# Altium PCB cheriot-test.PcbDoc (part 8 of 12) (continued)
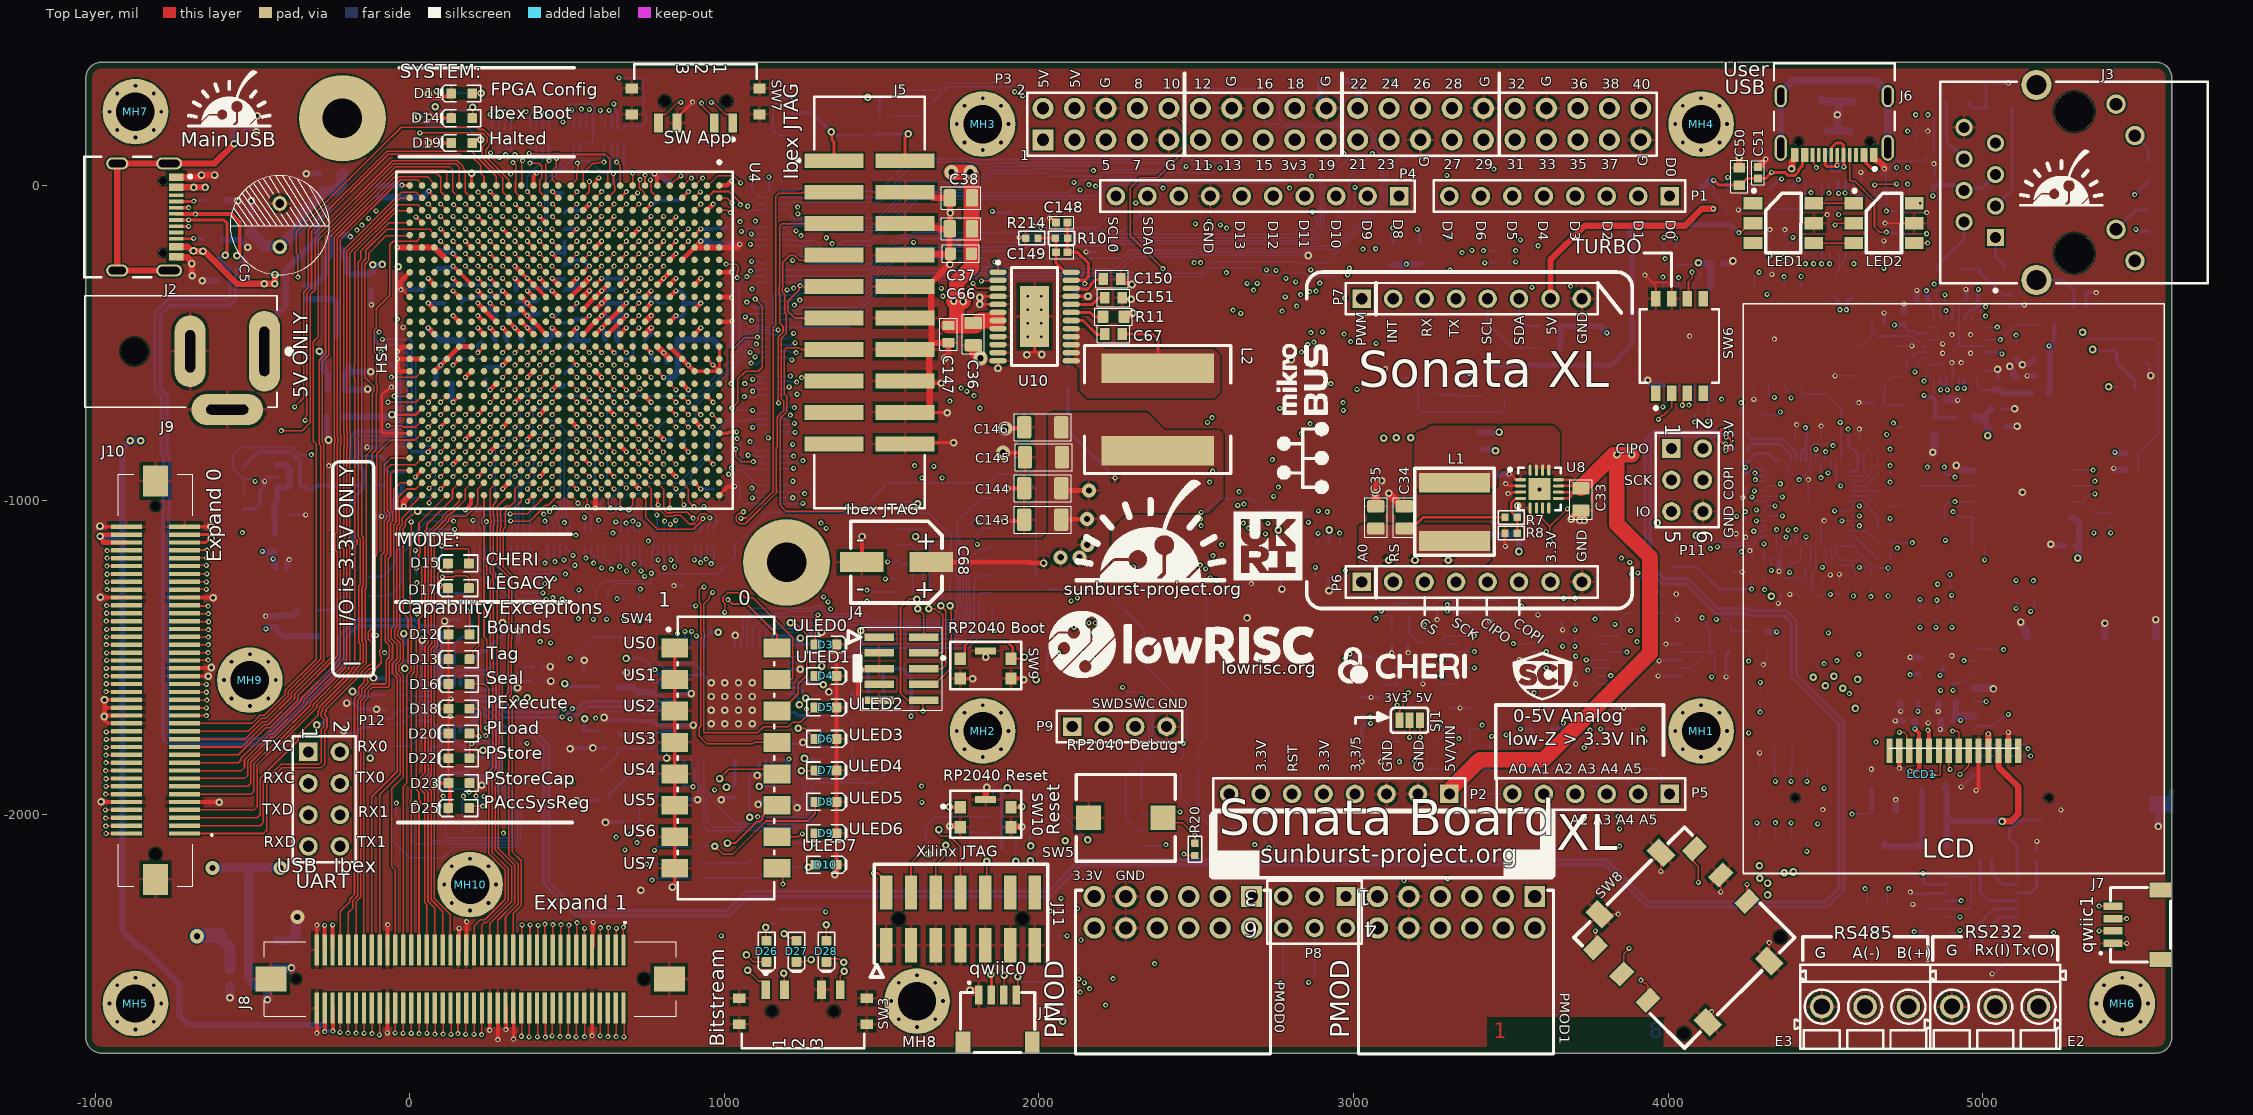
[diagram p0: Top Layer view]
## Nets (pads, with @x,y where several pads share a name; then routed paths per layer and width w, separated by ;. In a path a pad name is that pad's centre, name@x,y a point inside that pad or via, vN(x,y) a via of type N, cw(c..) or ccw(c..) an arc to the next point about the centre after c; other vN are vias at no path point) (continued)
NAVSW_2: SW8.2 U4.F7 | length 4683.1
  Top Layer w5: U4.F7@787.4,-236.22 v1(807.09,-216.54) ; SW8.2@3852.47,-2506.11 3859.43,-2499.15 3859.43,-2441.48 v1(3875.98,-2424.92)
  Int3 (Sign) w5: v1(807.09,-216.54) 810.06,-216.54 819.53,-226 834,-226 840.04,-232.04 857.96,-232.04 860,-230 970,-230 979,-221 1052,-221 1057.58,-215.42 1094.72,-215.42 1113.14,-197 1305.02,-197 1358.02,-250 1381.26,-250 1670.5,-539.24 1670.5,-561.22 1687.78,-578.5 1709.76,-578.5 1754.96,-623.7 1754.96,-631.04 1754.49,-631.5 1754.49,-641.93 v1(1752.39,-644.04) ; v1(1717,-685) 1685,-685 1677,-693 1677,-882.08 1681.5,-886.58 1681.5,-899.42 1677,-903.92 1677,-935.72 1742.23,-1000.95 1758.87,-1000.95 1823.5,-1065.58 1823.5,-1082.22 2019.28,-1278 2080.55,-1278 2100.05,-1258.5 2130.89,-1258.5 2142.91,-1270.52 2150.42,-1278 2364.86,-1278 2612.64,-1525.78 2930.13,-1525.78 2981.75,-1577.4 2981.75,-1823.26 3010.98,-1852.5 3010.98,-1852.69 3025.21,-1866.91 3032.49,-1866.91 3042.49,-1876.91 3345.64,-1876.91 3625.98,-2157.25 3625.98,-2219.17 3626.48,-2219.67 3626.48,-2248.68 3802.72,-2424.92 v1(3875.98,-2424.92)
  Int4 (Sign) w5: v1(1717,-685) 1717,-683 1741.45,-658.55 1741.45,-655.46 1752.39,-644.52 v1(1752.39,-644.04)
NAVSW_3: SW8.3 U4.H9 | length 4640.3
  Top Layer w5: U4.H9@708.66,-314.96 v1(728.35,-295.28) ; v1(3913.06,-2525.93) 3915.15,-2525.93 3925.06,-2535.84 3928.6,-2535.84 3935.98,-2543.23 SW8.3@3935.98,-2589.63
  Int3 (Sign) w5: v1(728.35,-295.28) 745.8,-295.28 769.67,-319.15 777.44,-319.15 808.44,-350.15 913,-350.15 922.08,-341.07 1070.11,-341.07 1073.85,-344.81 1104.2,-344.81 1106.89,-347.5 1224.58,-347.5 1229.58,-342.5 1313.5,-342.5 1626,-655 1626,-857 1605,-878 v1(1605,-890) ; v1(1666,-893) 1667,-893 1667,-939.86 1791.5,-1064.36 1791.5,-1077.42 1805.58,-1091.5 1818.64,-1091.5 2015.14,-1288 2084.69,-1288 2104.19,-1268.5 2126.75,-1268.5 2138.76,-1280.52 2146.28,-1288 2360.72,-1288 2613.07,-1540.35 2930.56,-1540.35 2971.75,-1581.55 2971.75,-1827.4 3000.98,-1856.64 3000.98,-1856.83 3021.07,-1876.91 3028.35,-1876.91 3038.35,-1886.91 3341.5,-1886.91 3615.98,-2161.39 3615.98,-2223.31 3616.48,-2223.81 3616.48,-2252.82 3866.08,-2502.42 3889.55,-2502.42 v1(3913.06,-2525.93)
  Int6 (Sign) w5: v1@1605,-892 1605.5,-891.5 1664.5,-891.5 v1(1666,-893)
NAVSW_4: SW8.6 U4.G9 | length 5127.4
  Top Layer w5: U4.G9@748.03,-314.96 v1(767.72,-295.28) ; SW8.6@4250.56,-2275.05 4250.56,-2228.65 v1(4250.56,-2221.68)
  Int3 (Sign) w5: v1(767.72,-295.28) 783.22,-310.78 1041.14,-310.78 1041.85,-310.07 1049.92,-310.07 1054.86,-315 1082.21,-315 1087.14,-310.07 1227.01,-310.07 1234.58,-302.5 1247.42,-302.5 1254.99,-310.07 1299.78,-310.07 1640.5,-650.79 1640.5,-903.56 1647,-910.06 1647,-951 1771.5,-1075.5 1771.5,-1085.7 1797.3,-1111.5 1807.5,-1111.5 2032,-1336 2119.88,-1336 2131.38,-1324.5 2138.56,-1324.5 2155.06,-1308 2352.43,-1308 2695.98,-1651.55 2695.98,-1831.13 2704.77,-1839.92 2901.84,-1839.92 2961.75,-1899.83 2961.75,-1957.44 3164.74,-2160.42 3487.34,-2160.42 3517.48,-2190.56 3517.48,-2292.17 3535.74,-2310.42 3616.23,-2310.42 3616.73,-2309.92 3621.84,-2309.92 3848.7,-2536.78 3884.7,-2536.78 3902.85,-2554.92 3948.94,-2554.92 3975.86,-2528 4042.49,-2528 4063.49,-2507 4098.91,-2507 4250.56,-2355.34 v1(4250.56,-2221.68)
NetC4_1: C4.1 Q1.3 Q5.3 | length 208.3
  Bottom Layer w20: C4.1@-327.87,-361.98 -242.02,-361.98 Q1.3@-231,-373 ; Q5.3@-232.87,-477.69 Q1.3@-232.87,-375.06 -232.87,-374.87 Q1.3@-231,-373 ; Q1.3@-230,-372 Q1.3@-231,-373
NetC4_2: C4.2 Q1.1 R2.2 R3.1 | length 206.1
  Bottom Layer w20: C4.2@-331,-320 -306.76,-320 -270.28,-283.52 Q1.1@-270.28,-272.69 -267.48,-269.9 -267.48,-238.2 -254,-224.72 R3.1@-254,-160
NetC47_1: C47.1 U12.10 | length 76.4
  Bottom Layer w8: C47.1@120,-1810 121.93,-1808.07 U12.10@121.93,-1734.36
NetC48_1: C48.1 U12.23 | length 261.7
  Bottom Layer w8: U12.23@161.3,-1577.5 161.3,-1559.69 165.99,-1555 340,-1555 365.45,-1529.55 384.35,-1529.55 C48.1@385.37,-1528.53 ; C48.1@389.69,-1533.84 393.48,-1530.05 C48.1@393.48,-1528.53
NetC49_1: C49.1 U7.5 | length 230.9
  Bottom Layer w10: C49.1@4958.58,-2424.96 C49.1@4960.63,-2422.91 4960.63,-2374.09 5035.83,-2298.9 U7.5@5108.66,-2298.9
NetC49_2: C49.2 U7.6 | length 177
  Bottom Layer w10: C49.2@4996.85,-2422.91 4996.85,-2381.18 5053.54,-2324.49 U7.6@5108.66,-2324.49
NetC50_1: C50.1 C51.1 J6.A4-B9 J6.B4-A9 R22.1 R23.1 R26.1 R41.1 | length 1479.1
  Top Layer w10: v1(4144.29,16.08) 4145.91,16.08 4160.83,1.16 C50.1@4225.98,1.16 4229.92,1.16 4250.73,21.97 4309.45,21.97 v1(4329.13,41.65) 4370.99,41.65 4381.18,31.46 4401.24,31.46 4414.13,44.35 4414.13,50.24 4426.65,62.77 4426.65,89.96 J6.B4-A9@4433.46,96.77
  Top Layer w12: J6.A4-B9@4622.44,96.77 4628.25,90.96 4628.25,72.45 4645.29,55.42 4658.79,55.42 v1(4659.56,54.65)
  Int4 (Sign) w12: v1(4329.13,41.65) 4354.55,67.07 4373.21,67.07 4395.03,88.9 4625.31,88.9 v1(4659.56,54.65)
  Bottom Layer w5: v1(4144.29,16.08) 4144.29,-31.69 4169.99,-57.39 4169.99,-58.32 4185.06,-73.39 R26.1@4185.98,-73.39 ; v1(4659.56,54.65) 4676.26,37.94 4685.12,37.94 4686.37,36.69 ; R22.1@4725.98,-81.45 4700.26,-81.45 v1(4693.3,-81.46) 4693.3,29.76 4686.37,36.69 ; R23.1@4825.67,200.08 4825.67,217.93 v1(4825.67,224.89) 4827.77,222.79 4834.08,222.79 4844.98,211.88 4844.98,112.62 4809.45,77.09 4724.26,77.09 4702.9,55.73 4702.9,47.04 4692.55,36.69 4686.37,36.69
  Bottom Layer w20: R41.1@4105.98,-6.46 4107.95,-6.46 4130.49,16.08 v1(4144.29,16.08)
NetC52_1: C52.1 J6.1 J6.2 J6.3 J6.4 R33.1 | length 723.8
  Bottom Layer w19.68: J6.2@4357.87,119.41 J6.4@4357.87,283.98
  Bottom Layer w25: J6.4@4357.87,283.98 4357.87,295.84 4395.03,332.99 4660.88,332.99 4698.03,295.84 J6.3@4698.03,283.98 J6.1@4698.03,119.41
NetC57_1: C57.1 L3.2 U15.1 U15.3 | length 288.3
  Bottom Layer w20: L3.2@-428.02,-1105.92 -428.02,-1059.67 -430.81,-1056.87 -430.81,-1014.78 -421.17,-1005.13 U15.1@-421.17,-963.32 -419.35,-961.51 -391.32,-961.51 -381.42,-951.61 -381.42,-900.24 -393.13,-888.52 U15.3@-421.17,-888.52
NetC61_1: C61.1 U7.4 | length 231.2
  Bottom Layer w10: C61.1@4992.13,-2143.39 4992.13,-2247.32 5018.11,-2273.31 U7.4@5108.66,-2273.31
NetC61_2: C61.2 U7.2 | length 137.4
  Bottom Layer w10: C61.2@5028.35,-2143.39 5028.35,-2185.12 5065.35,-2222.13 U7.2@5108.66,-2222.13
NetC62_1: C62.1 U7.7 | length 122.1
  Bottom Layer w10: C62.1@5069.29,-2436.3 5069.29,-2355.98 5075.2,-2350.08 U7.7@5108.66,-2350.08
NetC63_2: C63.2 U7.3 | length 150.6
  Bottom Layer w10: U7.3@5108.66,-2247.72 5153.94,-2247.72 5171.65,-2230 C63.2@5171.65,-2149.69
NetC67_1: C67.1 U10.18 | length 125.2
  Top Layer w10: U10.18@2102.36,-429.13 2140.13,-429.13 2185,-474 C67.1@2209,-474
NetC67_2: C67.2 L2.1 U10.13 U10.14 U10.15 U10.16 U10.17 | length 200.7
  Top Layer w10: C67.2@2264.69,-472.13 2361.13,-472.13 2379,-490 L2.1@2379,-569
NetC70_1: C70.1 C71.1 L5.2 U5.9 | length 196.8
  Bottom Layer w8: C71.1@772.48,-1610.91 781.08,-1619.5 800.5,-1619.5 818,-1637 U5.9@842,-1637
  Bottom Layer w20: L5.2@662.24,-1595.87 711.14,-1595.87 726.18,-1610.91 C71.1@772.48,-1610.91
NetC73_1: C73.1 C74.1 L6.2 U5.4 | length 178.9
  Bottom Layer w8: C74.1@785,-1740 795,-1740 800.55,-1734.45 U5.4@845.35,-1734.45
  Bottom Layer w12: L6.2@665,-1740 665,-1740.9 670.34,-1746.24 711.24,-1746.24 C73.1@720,-1755 ; C73.1@730,-1755 730,-1749.3 732.7,-1746.6 768.4,-1746.6 C74.1@775,-1740
NetC77_1: C77.1 U5.2 Y1.1 | length 342
  Bottom Layer w5: Y1.1@727.99,-1954.21 727.99,-2022.99 C77.1@730,-2025 ; Y1.1@730,-1950 780,-1950 790,-1940 790,-1800 816.18,-1773.82 U5.2@845.35,-1773.82
NetC78_1: C78.1 U5.3 Y1.3 | length 294.4
  Bottom Layer w6: Y1.3@602.01,-1855.79 615.79,-1855.79 660,-1811.57 C78.1@660,-1795 ; C78.1@658.11,-1790 775,-1790 810,-1755 833.61,-1755 833.74,-1754.87 844.87,-1754.87 U5.3@845,-1755
NetC81_1: C81.1 C84.1 C85.1 U11.23 U11.45 U11.50 | length 955.1
  Int3 (Sign) w5: v1(4233.05,-1163.51) 4245.46,-1175.92 4331.98,-1175.92 v1(4385.98,-1229.92)
  Int6 (Sign) w5: v1(4233.05,-1163.51) 4253.4,-1143.16 4274.25,-1143.16 4330.98,-1086.42 4330.98,-1084.35 4344.87,-1070.47 4364.28,-1070.47 4403.99,-1030.76 4403.99,-946.56 v1(4415.98,-934.56)
  Bottom Layer w5: C81.1@4205.98,-1172.36 4230.72,-1172.36 4232.19,-1172.36 4232.19,-1164.37 v1(4233.05,-1163.51) ; U11.45@4375.12,-874.73 4375.12,-898.96 4391.87,-915.71 4397.13,-915.71 v1(4415.98,-934.56) ; v1(4385.98,-1229.92) 4385.98,-1203.03 C85.1@4389.09,-1199.92 4409.19,-1199.92 4422.36,-1186.75 U11.23@4422.36,-1146.38 ; v1@4415.98,-934.92 4417.9,-934.92 4453.86,-898.96 U11.50@4453.86,-874.73 4453.86,-832.25 4463.19,-822.92 4518.52,-822.92 4522.1,-826.5 v1(4524.09,-826.5) ; v1@4524.09,-825.52 C84.1@4524.09,-799.92
NetC92_1: C92.1 U11.20 X2.1 | length 246.3
  Bottom Layer w5: U11.20@4469.61,-1146.38 4469.61,-1216.3 4455.98,-1229.92 4455.98,-1280.87 4467.38,-1292.26 4467.38,-1295.21 4480.62,-1308.46 X2.1@4483.58,-1308.46 4494,-1298.03 4495.39,-1299.42 v1(4515.28,-1299.42) ; v1@4515.28,-1298.03 4515.33,-1297.98 C92.1@4544.04,-1298.03 C92.1@4544.04,-1298.03
NetC93_1: C93.1 U11.21 X2.3 | length 198.2
  Bottom Layer w5: C93.1@4358.15,-1261.81 4373.16,-1246.8 4408.14,-1246.8 X2.3@4418.62,-1257.28 4421.57,-1257.28 4434.82,-1244.03 4434.82,-1221.84 4453.86,-1202.8 U11.21@4453.86,-1146.38
NetC94_1: C94.1 R72.1 U12.15 | length 273.3
  Bottom Layer w5: R72.1@-196.54,-1695 -139.63,-1695 -139.57,-1694.94 -54.94,-1694.94 -52.01,-1692.01 -52.01,-1679.18 -47.83,-1675 C94.1@-40,-1675 ; C94.1@-40,-1670 -25,-1670 -17.02,-1662.02 U12.15@57.66,-1662.02
NetC95_1: C95.1 U12.22 X1.3 | length 229.8
  Bottom Layer w8: U12.22@141.61,-1577.5 141.61,-1553.39 155,-1540 247.15,-1540 267.15,-1520 X1.3@275,-1520 ; X1.3@287.92,-1503.17 328.49,-1503.17 340,-1491.66 C95.1@340,-1490
NetC96_1: C96.1 U12.21 X1.1 | length 249.2
  Bottom Layer w8: U12.21@121.93,-1578.06 121.93,-1538.07 143.46,-1516.54 143.46,-1456.54 165,-1435 X1.1@195,-1435 ; C96.1@188.11,-1380 196.71,-1388.6 196.71,-1396.32 201,-1400.61 X1.1@201,-1433
NetC108_1: C108.1 R124.2 U6.20 Y3.1 | length 319.6
  Bottom Layer w5: R124.2@4752.52,-698.61 4693.54,-698.61 C108.1@4685.98,-691.05 4685.98,-665.45 4685.98,-662.48 4689.03,-659.43 4689.03,-629.11 4710.16,-607.99 Y3.1@4723.94,-607.99 4737.71,-607.99 4758.84,-586.86 4758.84,-562.06 4791.13,-529.76 U6.20@4820.03,-529.76
NetC109_1: C109.1 U6.21 Y3.3 | length 293.1
  Bottom Layer w5: Y3.3@4597.95,-509.56 4611.73,-509.56 4647.87,-473.42 C109.1@4647.87,-437.92 ; 4647.87,-463.52 4664.27,-479.92 4681.94,-479.92 4683.43,-478.44 4764.44,-478.44 4765.93,-479.92 4775.15,-479.92 4787.55,-492.32 4791.08,-492.32 4808.84,-510.08 U6.21@4820.03,-510.08
NetC116_1: C116.1 J2.1 J2.2 J2.3 J2.4 R129.1 | length 968
  Top Layer w20: J2.3@-929.33,70 -929.33,-268.67 J2.4@-923,-275 ; J2.4@-919.16,-270.16 J2.2@-764.76,-270.16 ; J2.3@-903,64 -897,70 J2.1@-764.76,70 -621,70 v2(-558,133)
  Bottom Layer w20: R129.1@-560.75,223.86 -560.75,136.83 -557,133.08 v2@-557,133
NetC118_1: C118.1 J3.13 J3.14 R135.1 | length 817.2
  Int3 (Sign) w50: J3.14@5170.47,-300.47 5170.47,-47.84 5183.98,-34.33 5183.98,293.52 5170.47,307.04 J3.13@5170.47,319.61
  Bottom Layer w10: J3.14@5170.47,-300.47 5253.94,-300.47 R135.1@5289.76,-336.3 5290.55,-337.09 5290.55,-386.69 C118.1@5291.34,-387.48
NetC119_2: C119.2 R198.1 R204.1 | length 146.9
  Bottom Layer w10: R204.1@4959.06,262.13 4959.06,257.13 4969.8,246.38 R198.1@5014.17,246.38 5009.84,250.71 5009.84,320.79 C119.2@5005.51,325.12
NetC142_2: C142.2 R196.1 R197.1 | length 194.2
  Bottom Layer w10: R197.1@4935.43,-265.43 R196.1@4990.55,-265.43 4990.55,-275.28 5061.38,-346.1 5085.39,-346.1 C142.2@5088.98,-349.69
NetC148_1: C148.1 C149.1 R9.2 R10.1 U10.23 | length 570.6
  Top Layer w10: C148.1@2090.24,-117.13 C149.1@2090.24,-212.13 2122.13,-212.13 2158,-248 2158,-289 2145.82,-301.18 U10.23@2102.36,-301.18
  Bottom Layer w10: R9.2@2092.13,-578.66 2092.13,-361.87 2116.49,-337.51 2120.49,-337.51 v1(2146,-312)
NetC149_2: C149.2 R10.2 R214.1 U10.24 | length 189.8
  Top Layer w10: R214.1@1995,-167 1995.13,-167.13 R214.1@1997.13,-167.13 R10.2@2052.13,-167.13 ; R10.2@2054,-173.94 2054,-245.93 2083.66,-275.59 U10.24@2102.36,-275.59
NetC150_1: C150.1 U10.22 | length 118.8
  Top Layer w10: U10.22@2102.36,-326.77 2103.84,-328.25 2136.79,-328.25 2138.54,-330 2153.46,-330 2164,-319.46 2164,-316 2181,-299 C150.1@2205,-299
NetC151_1: C151.1 U10.20 | length 114.7
  Top Layer w10: U10.20@2102.36,-377.95 2170.05,-377.95 2191,-357 2207,-357 C151.1@2208,-356
NetD3_A: D3.A R138.2 | length 787.8
  Top Layer w5: D3.A@1289.41,-1458.94 1289.41,-1375.63 1297.65,-1367.39 v1(1297.65,-1364.41)
  Int4 (Sign) w5: v1(680,-1379) 682.92,-1379 692.42,-1369.5 819.5,-1369.5 825,-1375 1120,-1375 1165,-1420 1200.51,-1420 1201.51,-1419 1240,-1419 1283.39,-1375.61 1286.45,-1375.61 v1(1297.65,-1364.41)
  Bottom Layer w5: v1(680,-1379) R138.2@680,-1354.69
NetD4_A: D4.A R140.2 | length 707.3
  Top Layer w5: D4.A@1289.41,-1558.94 1289.41,-1558.16 1306.36,-1541.2 1306.36,-1531.14 v2(1310,-1527.5)
  Int4 (Sign) w5: v1(731,-1385) 1115,-1385 1228,-1498 1283,-1498 1309,-1524 v2@1310,-1524
  Bottom Layer w5: R140.2@730,-1354.69 731,-1355.69 v1(731,-1385)
NetD5_A: D5.A R142.2 | length 1268.3
  Top Layer w5: v1(962.71,-1293.32) 962.71,-1293.94 952.05,-1304.59 952.05,-1312.95 935,-1330 935,-1416.94 936.5,-1418.44 936.5,-1441.26 935,-1442.76 935,-1737.07 937.93,-1740 1105,-1740 1125,-1720 1204.17,-1720 1218.67,-1705.5 1242.85,-1705.5 D5.A@1289.41,-1658.94
  Int6 (Sign) w5: v1(626,-1379) 644,-1397 684.92,-1397 695.5,-1386.42 695.5,-1370.3 716.3,-1349.5 726.5,-1349.5 782.5,-1293.5 962.53,-1293.5 v1(962.71,-1293.32)
  Bottom Layer w5: v1@627,-1379 626,-1378 626,-1359 R142.2@630,-1355
NetD6_A: D6.A R144.2 | length 1107.4
  Top Layer w5: v2(1235,-1725) 1255.47,-1725 D6.A@1289.41,-1758.94
  Int6 (Sign) w5: v1(584,-1379) 613,-1408 688.06,-1408 705.5,-1390.56 705.5,-1374.44 720.44,-1359.5 730.64,-1359.5 786.14,-1304 940,-1304 952,-1316 952,-1435.86 974.14,-1458 1066,-1458 1115,-1507 1115,-1514 1208,-1607 1208,-1698 v2(1235,-1725)
  Bottom Layer w5: v1@584,-1376 584,-1356 R144.2@585,-1355
NetD7_A: D7.A R147.2 | length 1264.8
  Top Layer w5: v2(1245,-1860) 1288.35,-1860 D7.A@1289.41,-1858.94
  Int6 (Sign) w5: v1(536,-1377) 538,-1377 582,-1421 690,-1421 696,-1415 ; 695.7,-1414.5 715.5,-1394.7 715.5,-1378.58 724.58,-1369.5 734.78,-1369.5 790.28,-1314 933,-1314 938,-1319 938,-1436 973,-1471 1058.07,-1471 1061,-1473.93 1061,-1476 1198,-1613 1198,-1716 1232.93,-1750.93 1232.93,-1755.07 1230.5,-1757.5 1230.5,-1824.17 1245,-1838.67 v2(1245,-1860)
  Bottom Layer w5: R147.2@535,-1355 536,-1356 v1(536,-1377) v1@537,-1378
NetD8_A: D8.A R149.2 | length 460.1
  Top Layer w5: v2(970,-2100) 995,-2125 1027.42,-2125 1132.42,-2020 1265,-2020 1289.41,-1995.59 D8.A@1289.41,-1958.94
  Bottom Layer w5: R149.2@931.81,-2102.13 933.94,-2100 v2(970,-2100) v2@971,-2100
NetD9_A: D9.A R151.2 | length 408
  Top Layer w5: v2(1284.29,-2089.29) 1284.29,-2064.06 D9.A@1289.41,-2058.94
  Bottom Layer w5: R151.2@931.81,-2152.13 1076.87,-2152.13 1139.71,-2089.29 1280.29,-2089.29 v2@1281,-2090
NetD10_A: D10.A R153.2 | length 373.4
  Top Layer w5: v2(1266.79,-2166.79) 1281.56,-2166.79 D10.A@1289.41,-2158.94
  Bottom Layer w5: R153.2@931.81,-2202.13 1108.87,-2202.13 1144.21,-2166.79 1262.21,-2166.79 v2@1264,-2165
NetD11_A: D11.A R156.2 | length 102.3
  Top Layer w5: D11.A@199.02,292.68 199.34,293 223,293 v2@225,291
  Bottom Layer w5: R156.2@151.78,292.68 152.1,293 v2(227,293)
NetD12_A: D12.A R139.2 | length 257.1
  Top Layer w5: v1(184,-1353) 190.28,-1359.28 D12.A@190.28,-1426.89
  Bottom Layer w5: R139.2@61.81,-1287.13 69.81,-1295.12 177.12,-1295.12 184,-1302 184,-1350 v1@187,-1353
NetD13_A: D13.A R141.2 | length 338.3
  Top Layer w5: v1(104,-1331) 205.07,-1331 219,-1344.93 219,-1464 200.62,-1482.38 200.62,-1495.29 D13.A@190.28,-1505.63
  Bottom Layer w5: R141.2@61.81,-1337.13 94.9,-1337.13 99.02,-1333 v1@105,-1333
NetD14_A: D14.A R158.2 | length 87.5
  Top Layer w5: v2@197,247 200,244 200,214.92 D14.A@199.02,213.94
  Bottom Layer w5: R158.2@151.81,237.87 188.87,237.87 v2(200,249)
NetD15_A: D15.A R155.2 | length 213.2
  Top Layer w5: v1(102,-1145) 112,-1155 185.46,-1155 188.39,-1157.93 D15.A@188.39,-1201.1
  Bottom Layer w5: R155.2@61.81,-1187.13 97.87,-1187.13 102,-1183 102,-1148 v1@103,-1147
NetD16_A: D16.A R143.2 | length 1098.2
  Top Layer w5: D16.A@190.28,-1584.37 237.37,-1584.37 252,-1599 252,-1720.07 251.91,-1720.07 247.98,-1724 v1(245,-1724)
  Bottom Layer w5: R143.2@-49,-2039 -49,-2089 -1.5,-2136.5 108.5,-2136.5 141,-2104 336,-2104 354,-2086 354,-1959 290.2,-1895.2 290.2,-1789.14 284,-1782.94 284,-1763 v1(245,-1724)
NetD17_A: D17.A R157.2 | length 166.2
  Top Layer w5: v1(104.24,-1244) 139.99,-1244 143.99,-1240 180,-1240 188.39,-1248.39 D17.A@188.39,-1279.84
  Bottom Layer w5: R157.2@61.81,-1237.13 68.69,-1244 103,-1244 v1@104,-1243
NetD18_A: D18.A R145.2 | length 892.6
  Top Layer w5: D18.A@190.28,-1663.11 217.11,-1663.11 226,-1672 226,-1734 240.5,-1748.5 v1(242,-1748.5)
  Bottom Layer w5: R145.2@7.22,-2036.79 5.77,-2038.24 5.77,-2082.77 17,-2094 331.14,-2094 343,-2082.14 343,-1964.25 280.2,-1901.45 280.2,-1793.29 273.93,-1787.01 273.93,-1779.79 242.64,-1748.5 v1(242,-1748.5)
NetD19_A: D19.A R159.2 | length 120.3
  Top Layer w5: D19.A@199.02,135.2 208.72,144.9 225.32,144.9 v2(225.71,145.29)
  Bottom Layer w5: R159.2@151.81,182.87 188.13,182.87 v2(225.71,145.29)
NetD20_A: D20.A R146.2 | length 729.4
  Top Layer w8: D20.A@190.28,-1741.85 197.89,-1749.47 219.47,-1749.47 v1(221,-1751)
  Bottom Layer w5: R146.2@59.54,-2036.48 59.54,-2070.54 73,-2084 327,-2084 333,-2078 333,-1968.39 270.2,-1905.59 270.2,-1797.43 263.93,-1791.16 263.93,-1783.93 244,-1764 234,-1764 v1(221,-1751)
NetD22_A: D22.A R148.2 | length 669.7
  Top Layer w5: D22.A@190.28,-1820.59 190.28,-1779.72 196,-1774 v1(198,-1774)
  Bottom Layer w5: R148.2@116,-2039 113,-2042 113,-2071.07 115.93,-2074 319.79,-2074 322.72,-2071.07 322.72,-1972.25 260.2,-1909.73 260.2,-1801.57 253.93,-1795.3 253.93,-1788.07 239.86,-1774 v1(198,-1774)
NetD23_A: D23.A R150.2 | length 108.5
  Top Layer w5: D23.A@190.28,-1899.33 211,-1920.06 v1(211,-1941)
  Bottom Layer w5: v1(211,-1941) 227,-1957 238.74,-1957 247.82,-1966.08 247.82,-1976.82 R150.2@248,-1977
NetD25_A: D25.A R154.2 | length 177.1
  Top Layer w5: D25.A@194.24,-1972.5 v1(232.32,-1972.5)
  Bottom Layer w5: R154.2@167,-2035.69 170,-2038.69 170,-2051.07 172.93,-2054 193.73,-2054 211.97,-2035.76 211.97,-1992.85 v1(232.32,-1972.5)
NetD26_A: D26.A R200.1 | length 94.5
  Top Layer w5: v2(1132,-2358) 1132,-2398.06 D26.A@1134.53,-2400.59
  Bottom Layer w5: v2(1132,-2358) 1135.51,-2358 1147.54,-2345.96 1168.1,-2345.96 R200.1@1175.05,-2339.02
NetD27_A: D27.A R201.1 | length 103.3
  Top Layer w5: v2(1190,-2378) 1203.79,-2391.79 1220.73,-2391.79 D27.A@1229.53,-2400.59
  Bottom Layer w5: v2(1190,-2378) 1190,-2376.38 R201.1@1227.36,-2339.02
NetD28_A: D28.A R202.1 | length 99.4
  Top Layer w5: v2(1324,-2350) 1324,-2400.06 D28.A@1324.53,-2400.59
  Bottom Layer w5: R202.1@1279.68,-2339.59 1288.36,-2348.27 1322.27,-2348.27 v2(1324,-2350)
NetE2_A2: E2.A2 U7.8 | length 444
  Int6 (Sign) w8: E2.A2@5041.73,-2614.06 5041.73,-2537.09 5204.33,-2374.49 v1(5224.81,-2374.49)
  Bottom Layer w6: U7.8@5108.66,-2375.67 5109.25,-2375.08 5224.22,-2375.08 v1(5224.81,-2374.49)
NetE2_A3: E2.A3 U7.13 | length 691.1
  Int6 (Sign) w8: v1(4931.5,-2273.31) 5001.58,-2273.31 5048.83,-2320.55 5194.92,-2320.55 5243.98,-2369.62 5243.98,-2464.76 5175.59,-2533.15 E2.A3@5175.59,-2632.78
  Bottom Layer w10: U7.13@4884.25,-2273.31 v1(4931.5,-2273.31)
NetE3_A2: E3.A2 R40.2 U3.6 | length 971
  Int6 (Sign) w5: v1(4340.58,-1894.18) 4340.58,-1953.74 4406.08,-2019.24 4406.08,-2162.5 4417.5,-2173.92 4417.5,-2190.08 4406.08,-2201.5 4406.08,-2390.02 E3.A2@4625.98,-2609.92
  Bottom Layer w5: R40.2@4332.52,-1769.92 4337.75,-1775.16 4337.75,-1845.88 U3.6@4340.58,-1848.7 v1(4340.58,-1894.18)
NetE3_A3: E3.A3 R40.1 U3.7 | length 1000.3
  Int6 (Sign) w5: v1(4390.58,-1894.18) 4425.08,-1928.68 4425.08,-2167.36 4427.5,-2169.78 4427.5,-2194.22 4425.08,-2196.64 4425.08,-2271.22 E3.A3@4763.78,-2609.92
  Bottom Layer w5: v1(4390.58,-1894.18) 4390.58,-1887.22 U3.7@4390.58,-1848.7 4393.81,-1845.47 4393.81,-1775.56 R40.1@4399.45,-1769.92
NetJ2_A5: J2.A5 R1.1 | length 94.2
  Top Layer w8: J2.A5@-742.13,-50.87 -686.87,-50.87 v1(-686,-50)
  Bottom Layer w8: v1@-687,-52 -685.84,-52 -680.96,-47.13 R1.1@-651.34,-47.13
NetJ2_B5: J2.B5 R4.1 | length 85.5
  Top Layer w8: J2.B5@-742.13,-168.98 -687.98,-168.98 v1(-687,-168)
  Bottom Layer w8: v1@-684,-169 -684,-168.7 -683.3,-168 -660.46,-168 R4.1@-656.34,-172.13
NetJ3_10: J3.10 R136.2 | length 127.6
  Bottom Layer w10: J3.10@5423.62,-139.45 5484.65,-78.43 R136.2@5525.98,-78.43
NetJ3_11: J3.11 R137.2 | length 97.1
  Bottom Layer w10: J3.11@5483.46,158.58 5525.98,116.06 R137.2@5525.98,79.05
NetJ5_2: J5.2 SJ2.2 | length 198
  Top Layer w10: J5.2@1574.8,78.74 1574.8,153.8 v2(1585,164)
  Bottom Layer w10: SJ2.2@1479,159 1484,164 1584,164 v2@1585,163
NetJ6_A5: J6.A5 R22.2 R24.1 | length 498.8
  Top Layer w5: J6.A5@4577.17,96.77 4577.17,17.02 4580.09,14.09 4592.91,14.09 4655.91,-48.9 4655.91,-131.57 4672.71,-148.38 v1(4693.3,-148.38)
  Bottom Layer w5: v1(4693.3,-148.38) v1@4696.27,-148.38 ; R22.2@4725.98,-148.38 4700.26,-148.38 v1@4696.27,-148.38 ; R24.1@4789.05,-153.39 v1@4814.77,-153.39 ; v1(4821.74,-153.39) v1@4814.77,-153.39 ; v1@4696.27,-148.38 4701.28,-153.39 v1@4814.77,-153.39
NetJ6_B5: J6.B5 R26.2 R28.1 | length 477.5
  Top Layer w5: J6.B5@4459.06,96.77 4462.46,93.37 4462.46,68.49 4470.94,60.01 v1(4470.94,57.03)
  Int6 (Sign) w5: v1(4188.98,26.08) 4215.98,-0.92 4412.98,-0.92 4417.08,3.18 4420.33,3.18 4429.41,12.26 4429.41,15.5 v1(4470.94,57.03)
  Bottom Layer w5: v1(4188.98,26.08) 4185.98,23.08 R26.2@4185.98,-6.46 4222.52,-6.46 R28.1@4265.98,-6.46
NetJ9_1: J9.1 Q4.3 | length 541.1
  Bottom Layer w20: J9.1@-461.65,-527.13 -461.65,-448.39 -394,-380.73 -394,-270 -294,-170 -294,-109 -259,-74 Q4.3@-255,-74
NetL1_1: L1.1 U8.13 U8.14 U8.15
NetL7_2: L7.2 R82.1 | length 136.4
  Bottom Layer w5: v1(4153.52,-1379.38) 4153.95,-1378.95 4169.02,-1378.95 4171.52,-1376.45 4185.65,-1376.45 4199.45,-1390.25 R82.1@4199.45,-1415.97 L7.2@4257.24,-1415.97
NetLCD1_3: LCD1.3 R130.1 R131.1 R132.1 | length 662.5
  Top Layer w20: LCD1.3@5049.61,-1796.93 5049.76,-1797.08 5049.76,-1848.27 5112.6,-1911.1 5112.6,-1997.72 5089.74,-2020.57 5062.18,-2020.57 v2(5061.42,-2021.34)
  Bottom Layer w20: R130.1@4879.61,-1904.33 4879.61,-1914.17 R130.1@4885.35,-1919.92 R132.1@4885.35,-2019.92 ; R131.1@4885.35,-2099.92 R132.1@4885.35,-2019.92 ; v2(5061.42,-2021.34) 5060.33,-2021.34 5058.92,-2019.92 R132.1@4885.35,-2019.92
NetLED1_2: LED1.2 LED2.2 Q6.3 R192.1 | length 2771.4
  Top Layer w5: v1(4224.98,-149.92) 4229.69,-149.92 4259.69,-119.92 LED1.2@4269.53,-119.92 ; v1(4530.98,-124.92) 4533.96,-124.92 4538.96,-119.92 LED2.2@4589.53,-119.92
  Int6 (Sign) w5: v1(4224.98,-149.92) 4224.98,-133.92 4233.98,-124.92 v1(4530.98,-124.92) 4590.2,-124.92 4726.77,-261.5 4939.48,-261.5 5317.43,-639.45 v2(5400,-639.45)
  Bottom Layer w5: v2(5400,-639.45) 5439.37,-639.45 R192.1@5443.31,-643.39
  Bottom Layer w15: Q6.3@3444.4,-570.64 3819.36,-570.64 3885,-505 3885,-163 3877.21,-155.21 3877.21,-142.79 3896,-124 4199,-124 v1@4226,-151
NetLED1_4: LED1.4 LED2.3 | length 127.1
  Top Layer w5: LED1.4@4462.44,-182.91 LED2.3@4589.53,-182.91
NetLED1_6: LED1.6 LED2.1 | length 127.1
  Top Layer w5: LED1.6@4462.44,-56.93 LED2.1@4589.53,-56.93
NetLED2_4: LED2.4 LED2.6 Q3.3 R192.2 | length 1118.2
  Top Layer w5: LED2.4@4782.44,-182.91 4818.01,-182.91 v1(4824.97,-182.91) ; LED2.6@4782.44,-56.93 4783.63,-55.74 v1(4801.6,-55.74)
  Int4 (Sign) w5: v1(4801.6,-55.74) 4802.96,-57.1 4817.1,-57.1 4859.98,-99.98 4859.98,-147.9 v1(4824.97,-182.91)
  Int6 (Sign) w5: v1(4824.97,-182.91) 4916.6,-182.91 5116.78,-383.1 5116.78,-386.03 5125.86,-395.11 5128.79,-395.11 5255.02,-521.34 v2(5348.82,-521.34)
  Bottom Layer w5: v2(5348.82,-521.34) 5352.76,-525.28 Q3.3@5407.87,-525.28
  Bottom Layer w12: Q3.3@5407.87,-525.28 5418.7,-525.28 5425.5,-532.07 5425.5,-562.58 5482.68,-619.76 R192.2@5482.68,-643.39
NetP2_4: P2.4 SJ1.2 | length 375.3
  Top Layer w5: v1(3178.42,-1753.92) 3178.42,-1738.96 SJ1.2@3178.42,-1699.92
  Int6 (Sign) w5: P2.4@3004.72,-1933.94 3004.72,-1809.18 3059.99,-1753.92 v1(3178.42,-1753.92)
NetP9_2: P9.2 U11.25 | length 2744.4
  Int1 (Sign) w5: P9.2@2205.98,-1719.92 2243.01,-1682.89 2421.32,-1682.89 2543.35,-1804.92 3340.9,-1804.92 3597.45,-1548.38 3631.9,-1548.38 3700.04,-1480.23 3729.74,-1480.23 3795.05,-1414.92 v1(3880.98,-1414.92)
  Int3 (Sign) w5: v1(3880.98,-1414.92) 3882.9,-1414.92 3892.9,-1404.92 4303.33,-1404.92 4402.41,-1305.84 4402.41,-1116.35 v1(4380.98,-1094.92)
  Bottom Layer w5: v1(4380.98,-1094.92) 4380.98,-1097.08 4390.87,-1106.96 U11.25@4390.87,-1146.38
NetP9_3: P9.3 U11.24 | length 2663.9
  Int1 (Sign) w5: P9.3@2305.98,-1719.92 2353.62,-1719.92 2480.82,-1847.12 3320.86,-1847.12 3540.56,-1627.42 3596.69,-1627.42 3774.19,-1449.92 v1(3900.98,-1449.92)
  Int3 (Sign) w5: v1(3900.98,-1449.92) 3912.04,-1438.86 4301.91,-1438.86 4412.41,-1328.35 4412.41,-1102.41 4406.61,-1096.61 v1(4406.61,-1093.63)
  Bottom Layer w5: U11.24@4406.61,-1146.38 v1(4406.61,-1093.63)
NetQ2_3: Q2.3 R130.2 R131.2 R132.2 | length 298.8
  Bottom Layer w20: Q2.3@4685.98,-2091.1 4685.98,-2097.13 4688.78,-2099.92 R131.2@4806.61,-2099.92 ; R131.2@4806.61,-2090.94 R132.2@4806.61,-2019.92 R130.2@4806.61,-1919.92
NetQ6_1: Q6.1 Q7.3 R210.1 | length 516.6
  Bottom Layer w5: Q7.3@3153,-615 3156.69,-611.32 3247.32,-611.32 R210.1@3250,-614 ; 3205,-612 3205,-706 3220,-721 3468,-721 3481.8,-707.2 Q6.1@3481.8,-673
NetQ6_2: Q6.2 R19.1 R210.2 | length 167
  Bottom Layer w5: R210.2@3251,-650.69 3265.32,-665 R19.1@3338,-665 ; R19.1@3338,-675 3345.07,-667.93 3401.93,-667.93 Q6.2@3407,-673
NetR7_2: R7.2 R8.1 U8.4 | length 140.1
  Top Layer w8: R8.1@3520.67,-1104.92 R7.2@3520.67,-1054.92 3501.05,-1035.3 3501.05,-1008.7 3514.95,-994.8 3530.59,-994.8 U8.4@3530.94,-994.45
NetR11_1: R11.1 U10.19 | length 100.6
  Top Layer w10: U10.19@2102.36,-403.54 2163.54,-403.54 2178,-418 R11.1@2197,-418
NetR12_1: R12.1 U12.16 | length 95.4
  Bottom Layer w5: R12.1@-35,-1620 -15,-1620 10,-1645 50,-1645